# Altium PCB PCB_Kasli.PCBDOC (part 1 of 16) (continued)
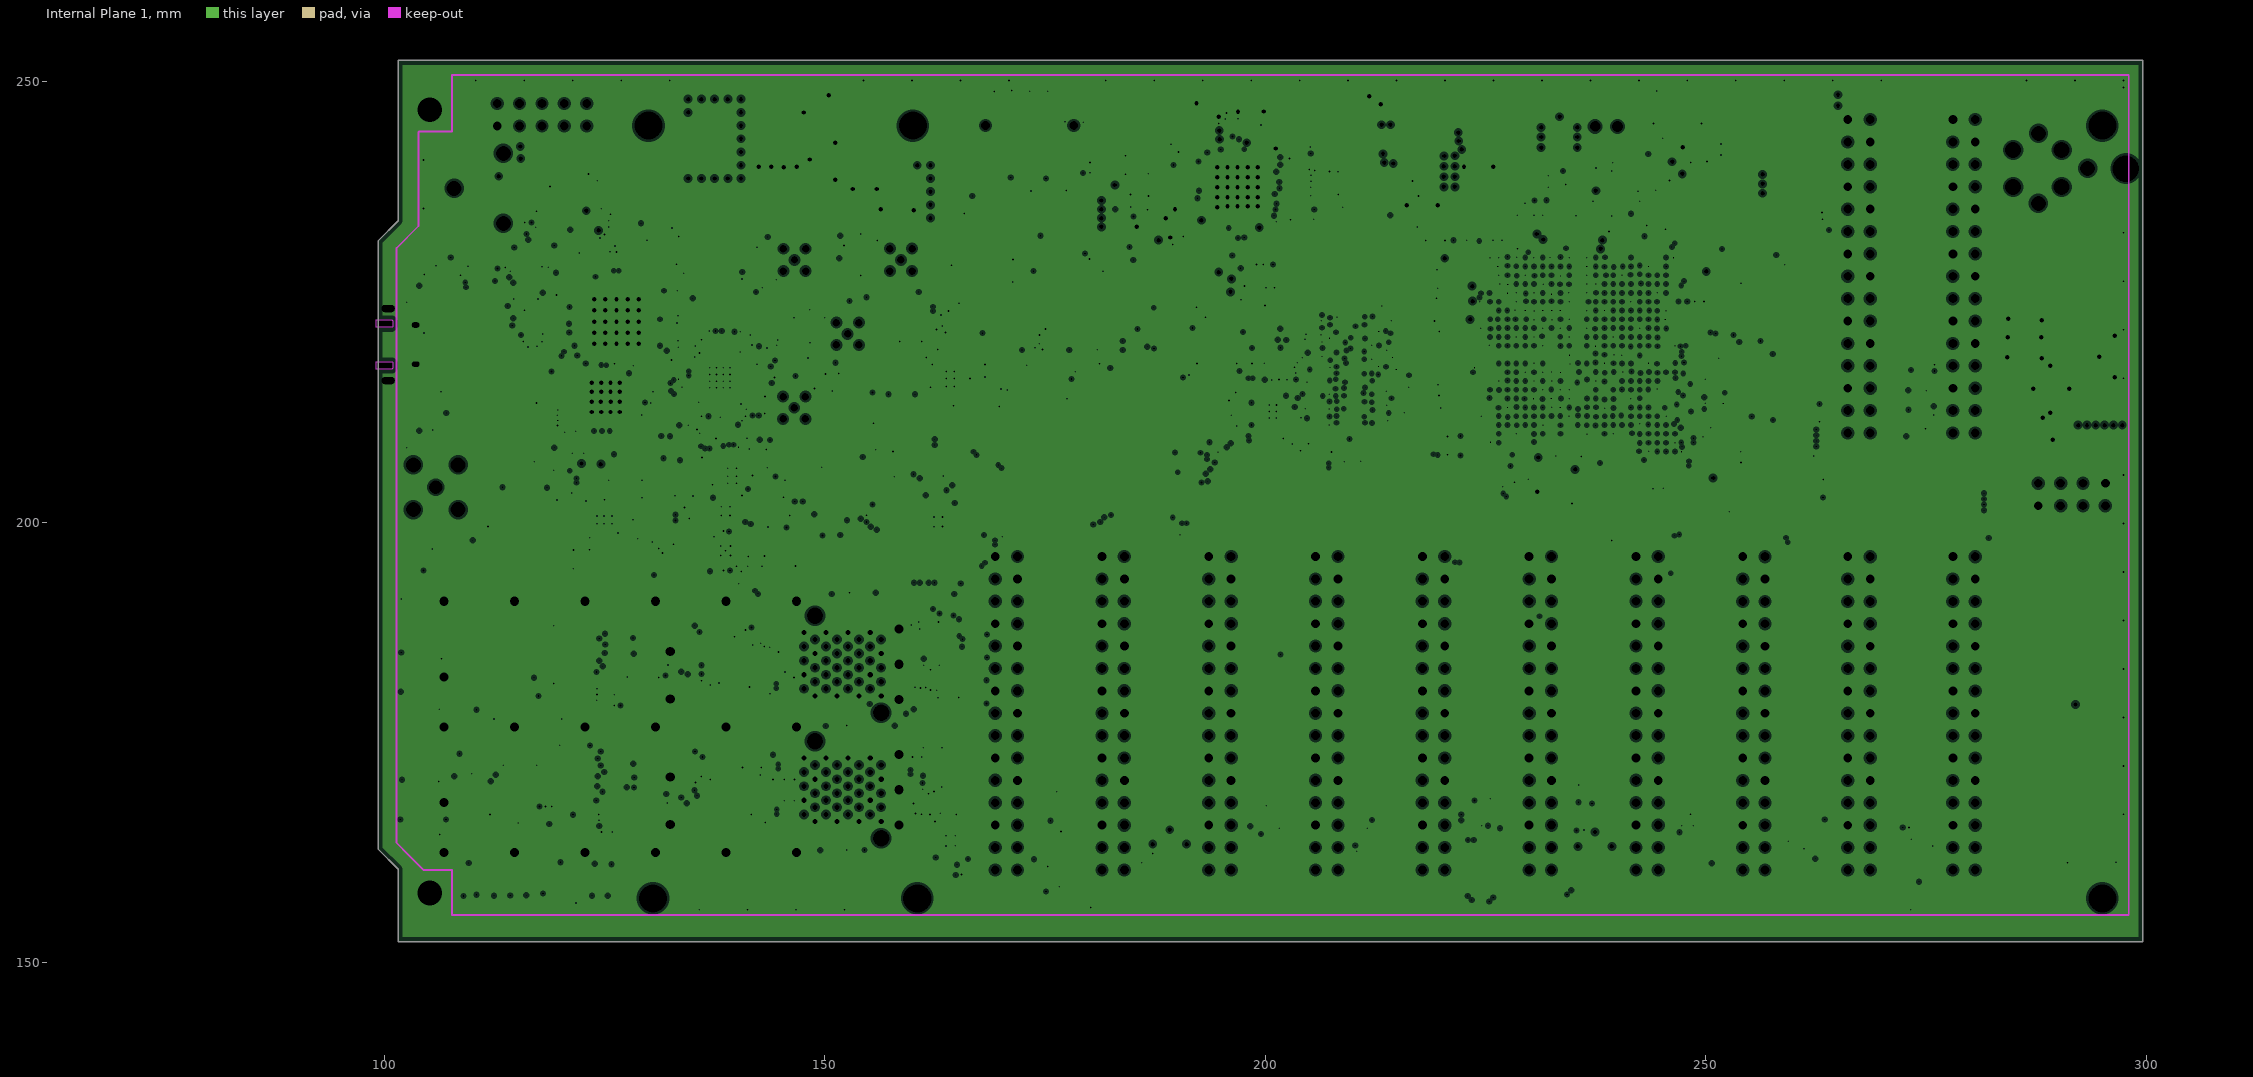
[diagram p5: Internal Plane 1, clearances drawn from the general rule]

## Layer stack, top to bottom
TopSolder: solder mask 0.0225, Solder Resist, Dk 3.5
TopLayer: signal copper 0.053
Dielectric1: core 0.11, FR-4, Dk 4.2
MidLayer1: signal copper 0.018
Dielectric2: prepreg 0.2, FR-4, Dk 4.2
MidLayer2: signal copper 0.018
Dielectric3: core 0.73, FR-4, Dk 4.2
SignalLayer1: signal copper 0.018
Dielectric4: prepreg 0.2, FR-4, Dk 4.2
Internal Plane 1: plane copper 0.018, net GND
Dielectric5: core 0.11, FR-4, Dk 4.2
BottomLayer: signal copper 0.053
BottomSolder: solder mask 0.0225, Solder Resist, Dk 3.5

## Board outline
101.6,160.6 99.3,162.9 99.3,231.9 101.6,234.2 101.6,252.4 299.6,252.4 299.6,152.4 101.6,152.4

## Design rules (kind name [scope] priority, off if disabled: settings)
AcuteAngle [All] p1: minimum=4.40000000000000E+0001 checktracksonly=FALSE
AssemblyTestPointUsage [All] p1 off:
AssemblyTestpoint [All] p1 off: testpointundercomponent=TRUE minsize=1.016 maxsize=2.54 preferedsize=1.524 minholesize=0 maxholesize=1.016 preferedholesize=0.813 testpointgrid=0.025 usegrid=TRUE gridtolerance=0 allowsidetop=TRUE allowsidebottom=TRUE
BoardOutlineClearance [All] p1: gap=0.4 ignorepadtopadclearanceinfootprint=FALSE
Clearance Clearance_GTP [InDifferentialPairClass('GTP') and not WithinRoom('Artix')] p1 off: gap=0.127 ignorepadtopadclearanceinfootprint=FALSE except(0: Arc-Hole Track-Hole SMDPad-Hole THPad-Hole Via-Hole Fill-Hole Poly-Hole Region-Hole Text-Hole; 0.089: Arc-SMDPad Track-SMDPad SMDPad-SMDPad; 0.15: Arc-THPad Arc-Via Track-THPad Track-Via SMDPad-Via; 0.152: Via-Fill Via-Poly Via-Region; 0.2: SMDPad-THPad THPad-THPad THPad-Via; 0.254: Arc-Text Track-Text SMDPad-Text THPad-Text Via-Text Fill-Text Poly-Text Region-Text Text-Text; 0.275: Via-Via; 0.35: Arc-Arc Arc-Track Track-Track)
Clearance Clearance_poly_balancing [InPolygonClass('Copper_balancing') vs OnLayer('KeepOutLayer')] p2: gap=0.25 ignorepadtopadclearanceinfootprint=FALSE
Clearance Clearance_poly_balancing_1 [InPolygonClass('Copper_balancing') vs InAnyNet] p3: gap=1 ignorepadtopadclearanceinfootprint=FALSE
Clearance Clearance_via [IsVia vs IsVia] p4: gap=0.254 ignorepadtopadclearanceinfootprint=FALSE except(0: Arc-Hole Track-Hole SMDPad-Hole THPad-Hole Via-Hole Fill-Hole Poly-Hole Region-Hole Text-Hole; 0.076: Arc-Track Arc-SMDPad Track-Track Track-SMDPad SMDPad-SMDPad SMDPad-Fill SMDPad-Region THPad-Fill THPad-Region; 0.08: Arc-Arc; 0.1: Arc-Fill Arc-Region Track-Fill Track-Region Fill-Fill Fill-Region; 0.127: Arc-Poly Track-Poly SMDPad-Poly THPad-Poly Fill-Poly Poly-Poly Poly-Region Region-Region; 0.15: Arc-Via Track-Via SMDPad-Via Via-Via Via-Fill Via-Poly Via-Region; 0.2: Arc-THPad Track-THPad SMDPad-THPad THPad-THPad THPad-Via)
Clearance Clearance_inner_lvds_mid2 [(OnLayer('MidLayer2') AND InNetClass('Diff_100Ohm'))] p5 off: gap=0.54 ignorepadtopadclearanceinfootprint=FALSE except(0: Arc-Hole Track-Hole SMDPad-Hole THPad-Hole Via-Hole Fill-Hole Poly-Hole Region-Hole Text-Hole)
Clearance Clearance_inner_lvds_sign1 [(InDifferentialPairClass('All Differential Pairs'))] p6 off: gap=0.54 ignorepadtopadclearanceinfootprint=FALSE except(0: Arc-Hole Track-Hole SMDPad-Hole THPad-Hole Via-Hole Fill-Hole Poly-Hole Region-Hole Text-Hole; 0.1: Arc-SMDPad Track-SMDPad; 0.15: Arc-Via Track-Via SMDPad-Via; 0.2: Arc-THPad Track-THPad SMDPad-SMDPad THPad-Via Via-Via)
Clearance Clearance_ddr [IsTrack and (InNetClass('DDR_BL0') OR InNetClass('DDR_AddressAndControls')) vs IsTrack and (InNetClass('DDR_BL0') OR InNetClass('DDR_AddressAndControls'))] p7 off: gap=0.5 ignorepadtopadclearanceinfootprint=FALSE except(0: Arc-Hole Track-Hole SMDPad-Hole THPad-Hole Via-Hole Fill-Hole Poly-Hole Region-Hole Text-Hole; 0.15: Arc-Via Track-Via; 0.25: Arc-Arc Arc-Track Track-Track; 0.54: Via-Via Via-Fill Via-Poly Via-Region Via-Text Fill-Fill Fill-Poly Fill-Region Fill-Text Poly-Poly Poly-Region Poly-Text Region-Region Region-Text Text-Text)
Clearance Clearance_inner [(OnLayer('MidLayer1') OR OnLayer('MidLayer2') OR OnLayer('SignalLayer1'))] p8: gap=0.25 ignorepadtopadclearanceinfootprint=FALSE except(0: Arc-Hole SMDPad-Hole THPad-Hole Via-Hole Fill-Hole Poly-Hole Region-Hole Text-Hole; 0.076: Arc-Arc Arc-Track Arc-SMDPad Track-Track Track-SMDPad SMDPad-SMDPad SMDPad-Fill SMDPad-Region THPad-Fill THPad-Region; 0.1: Track-THPad Track-Region Region-Region; 0.127: SMDPad-Poly THPad-Poly; 0.15: Arc-Via Track-Via Via-Fill Via-Poly Via-Region; 0.2: SMDPad-Via THPad-Via; 0.254: Arc-Text Track-Text SMDPad-Text THPad-Text Via-Text Fill-Text Poly-Text Region-Text Text-Text)
Clearance [OnLayer('TopLayer') or OnLayer('BottomLayer')] p9: gap=0.089 ignorepadtopadclearanceinfootprint=FALSE except(0: Arc-Hole SMDPad-Hole THPad-Hole Via-Hole Fill-Hole Poly-Hole Region-Hole Text-Hole; 0.1: Arc-Fill Track-THPad Track-Fill Track-Region Fill-Fill Fill-Region Poly-Region Region-Region; 0.127: Arc-Poly Track-Poly SMDPad-Poly THPad-Poly Fill-Poly Poly-Poly; 0.15: Arc-THPad Arc-Via Track-Via SMDPad-Via Via-Fill Via-Region; 0.152: Via-Poly; 0.2: SMDPad-THPad THPad-THPad THPad-Via; 0.25: Track-Hole; 0.254: Arc-Text Track-Text SMDPad-Text THPad-Text Via-Text Fill-Text Poly-Text Region-Text Text-Text; 0.275: Via-Via)
ComponentClearance [All] p1 off: gap=0.254 collisioncheckmode=3 verticalgap=0.254 showdistances=FALSE
DiffPairsRouting DiffPairsRouting_lvpecl [InDifferentialPairClass('LVPECL')] p1: maxlimit=0.31 minlimit=0.125 mostfreqgap=0.31 toplayer_maxgap=0.125 toplayer_prefgap=0.125 toplayer_minwidth=0.095 toplayer_maxwidth=0.095 toplayer_prefwidth=0.095 midlayer1_mingap=0.25 midlayer1_maxgap=0.25 midlayer1_prefgap=0.25 midlayer1_minwidth=0.15 midlayer1_maxwidth=0.15 midlayer1_prefwidth=0.15 midlayer2_mingap=0.31 midlayer2_minwidth=0.165 midlayer2_maxwidth=0.165 midlayer2_prefwidth=0.165 midlayer7_mingap=0.31 midlayer7_minwidth=0.165 midlayer7_maxwidth=0.165 midlayer7_prefwidth=0.165 bottomlayer_maxgap=0.125 bottomlayer_prefgap=0.125 bottomlayer_minwidth=0.095 bottomlayer_maxwidth=0.095 bottomlayer_prefwidth=0.095 maxuncoupledlength=3
DiffPairsRouting DiffPairsRouting_100_Ohm [InDifferentialPairClass('Diff_100Ohm')] p2: maxlimit=0.25 minlimit=0.12 mostfreqgap=0.12 toplayer_mingap=0.125 toplayer_maxgap=0.125 toplayer_prefgap=0.125 toplayer_minwidth=0.095 toplayer_maxwidth=0.095 toplayer_prefwidth=0.095 midlayer1_mingap=0.25 midlayer1_prefgap=0.25 midlayer1_minwidth=0.15 midlayer1_maxwidth=0.15 midlayer1_prefwidth=0.15 midlayer2_maxgap=0.12 midlayer2_minwidth=0.1 midlayer2_maxwidth=0.115 midlayer2_prefwidth=0.115 midlayer7_maxgap=0.12 midlayer7_minwidth=0.1 midlayer7_maxwidth=0.115 midlayer7_prefwidth=0.115 bottomlayer_mingap=0.125 bottomlayer_maxgap=0.125 bottomlayer_prefgap=0.125 bottomlayer_minwidth=0.095 bottomlayer_maxwidth=0.095 bottomlayer_prefwidth=0.095 maxuncoupledlength=10
DiffPairsRouting DiffPairsRouting_90_Ohm [InDifferentialPairClass('Diff_90Ohm')] p3: maxlimit=0.15 minlimit=0.12 mostfreqgap=0.12 toplayer_mingap=0.15 toplayer_prefgap=0.15 toplayer_minwidth=0.135 toplayer_maxwidth=0.135 toplayer_prefwidth=0.135 midlayer1_mingap=0.125 midlayer1_maxgap=0.125 midlayer1_prefgap=0.125 midlayer1_minwidth=0.312 midlayer1_maxwidth=0.312 midlayer1_prefwidth=0.312 midlayer2_maxgap=0.12 midlayer2_minwidth=0.15 midlayer2_maxwidth=0.15 midlayer2_prefwidth=0.15 midlayer7_maxgap=0.12 midlayer7_minwidth=0.15 midlayer7_maxwidth=0.15 midlayer7_prefwidth=0.15 bottomlayer_mingap=0.15 bottomlayer_prefgap=0.15 bottomlayer_minwidth=0.135 bottomlayer_maxwidth=0.135 bottomlayer_prefwidth=0.135 maxuncoupledlength=12.7
DiffPairsRouting [All] p4 off: maxlimit=0.254 minlimit=0.12 mostfreqgap=0.125 toplayer_minwidth=0.075 toplayer_maxwidth=0.5 toplayer_prefwidth=0.125 midlayer1_minwidth=0.075 midlayer1_maxwidth=0.5 midlayer1_prefwidth=0.125 midlayer2_minwidth=0.075 midlayer2_maxwidth=0.5 midlayer2_prefwidth=0.125 midlayer7_minwidth=0.075 midlayer7_maxwidth=0.5 midlayer7_prefwidth=0.125 bottomlayer_minwidth=0.075 bottomlayer_maxwidth=0.5 bottomlayer_prefwidth=0.125 maxuncoupledlength=3
FabricationTestPointUsage TestPointUsage [All] p1: valid=0 allowmultiple=FALSE
FabricationTestpoint Testpoint [All] p1: side=3 testpointundercomponent=TRUE minsize=1.016 maxsize=2.54 preferedsize=1.524 minholesize=0.508 maxholesize=1.016 preferedholesize=0.813 testpointgrid=0.025 allowsidetop=TRUE allowsidebottom=TRUE usegrid=TRUE gridtolerance=0
Height Height_1 [OnLayer('BottomLayer')] p1: minheight=0 maxheight=2 prefheight=1
Height [All] p2: minheight=0 maxheight=27 prefheight=12.7
HoleSize [All] p1: absolutevalues=TRUE maxlimit=3.2 minlimit=0.15 maxpercent=80.000 minpercent=20.000
HoleToHoleClearance [All] p1: gap=0.15 allowstackedmicrovias=TRUE
MatchedLengths MatchedLengths_sfp [InDifferentialPairClass('SFP_RX_TX')] p1: tolerance=1 checknetsindiffpair=TRUE checkdiffpairvsdiffpair=FALSE checkxsignals=FALSE checkothers=FALSE
MatchedLengths MatchedLengths_diff_clocks [InxSignalClass('Differential clocks')] p2: tolerance=1 checknetsindiffpair=TRUE checkdiffpairvsdiffpair=FALSE checkxsignals=FALSE checkothers=FALSE
MatchedLengths MatchLengths_xSignals_clock_fanout [InxSignalClass('Clock fanout')] p3: tolerance=1 checknetsindiffpair=FALSE checkdiffpairvsdiffpair=TRUE checkxsignals=TRUE checkothers=TRUE
MatchedLengths MatchedLengths_ext0 [InNetClass('EXT0')] p4: tolerance=10 checknetsindiffpair=FALSE checkdiffpairvsdiffpair=TRUE checkxsignals=TRUE checkothers=TRUE
MatchedLengths MatchedLengths_ext11 [InNetClass('EXT11')] p5: tolerance=10 checknetsindiffpair=FALSE checkdiffpairvsdiffpair=TRUE checkxsignals=TRUE checkothers=TRUE
MatchedLengths MatchedLengths_ext10 [InNetClass('EXT10')] p6: tolerance=10 checknetsindiffpair=FALSE checkdiffpairvsdiffpair=TRUE checkxsignals=TRUE checkothers=TRUE
MatchedLengths MatchedLengths_ext9 [InNetClass('EXT9')] p7: tolerance=10 checknetsindiffpair=FALSE checkdiffpairvsdiffpair=TRUE checkxsignals=TRUE checkothers=TRUE
MatchedLengths MatchedLengths_ext8 [InNetClass('EXT8')] p8: tolerance=10 checknetsindiffpair=FALSE checkdiffpairvsdiffpair=TRUE checkxsignals=TRUE checkothers=TRUE
MatchedLengths MatchedLengths_ext7 [InNetClass('EXT7')] p9: tolerance=10 checknetsindiffpair=FALSE checkdiffpairvsdiffpair=TRUE checkxsignals=TRUE checkothers=TRUE
MatchedLengths MatchedLengths_ext6 [InNetClass('EXT6')] p10: tolerance=10 checknetsindiffpair=FALSE checkdiffpairvsdiffpair=TRUE checkxsignals=TRUE checkothers=TRUE
MatchedLengths MatchedLengths_ext5 [InNetClass('EXT5')] p11: tolerance=10 checknetsindiffpair=FALSE checkdiffpairvsdiffpair=TRUE checkxsignals=TRUE checkothers=TRUE
MatchedLengths MatchedLengths_ext4 [InNetClass('EXT4')] p12: tolerance=10 checknetsindiffpair=FALSE checkdiffpairvsdiffpair=TRUE checkxsignals=TRUE checkothers=TRUE
MatchedLengths MatchedLengths_ext3 [InNetClass('EXT3')] p13: tolerance=10 checknetsindiffpair=FALSE checkdiffpairvsdiffpair=TRUE checkxsignals=TRUE checkothers=TRUE
MatchedLengths MatchedLengths_ext2 [InNetClass('EXT2')] p14: tolerance=10 checknetsindiffpair=FALSE checkdiffpairvsdiffpair=TRUE checkxsignals=TRUE checkothers=TRUE
MatchedLengths MatchedLengths_ext1 [InNetClass('EXT1')] p15: tolerance=10 checknetsindiffpair=FALSE checkdiffpairvsdiffpair=TRUE checkxsignals=TRUE checkothers=TRUE
MatchedLengths MatchedLengths_DDR_CLOCKS_STROBES [InxSignalClass('ADDR_PP1') OR InxSignalClass('DATA_BL0')] p16: tolerance=0.508 checknetsindiffpair=TRUE checkdiffpairvsdiffpair=FALSE checkxsignals=FALSE checkothers=FALSE
MatchedLengths MatchedLengths_DATA_BL0 [InxSignalClass('DATA_BL0')] p17: tolerance=1.3 checknetsindiffpair=FALSE checkdiffpairvsdiffpair=TRUE checkxsignals=TRUE checkothers=TRUE
MatchedLengths MatchedLengths_ADDR_PP1 [InxSignalClass('ADDR_PP1')] p18: tolerance=2 checknetsindiffpair=FALSE checkdiffpairvsdiffpair=TRUE checkxsignals=TRUE checkothers=TRUE
MatchedLengths [InDifferentialPairClass('All Differential Pairs')] p19: tolerance=5 checknetsindiffpair=TRUE checkdiffpairvsdiffpair=FALSE checkxsignals=FALSE checkothers=FALSE
MinimumAnnularRing MinimumAnnularRing_mid [OnLayer('MidLayer1') or OnLayer('MidLayer2') or OnLayer('MidLayer3') or OnLayer('MidLayer4')] p1: minimumring=0.15
MinimumAnnularRing MinimumAnnularRing_outer [OnLayer('TopLayer') or OnLayer('BottomLayer')] p2: minimumring=0.05
MinimumSolderMaskSliver [All] p1: minsoldermaskwidth=0.075
ParallelSegment [All] p1 off: limit=5 gap=0.254
PlaneClearance [All] p1: clearance=0.254
PlaneConnect [All] p1: pad.planeconnectstyle=Relief pad.reliefexpansion=0.2 pad.reliefentries=4 pad.reliefconductorwidth=0.254 pad.reliefairgap=0.254 via.planeconnectstyle=Direct via.reliefexpansion=0.2 via.reliefentries=4 via.reliefconductorwidth=0.254 via.reliefairgap=0.15
PolygonConnect PolygonConnect_pad [IsPad] p1: connectstyle=Relief reliefconductorwidth=0.254 reliefentries=4 polygonreliefangle="90 Angle" airgapwidth=0.254
PolygonConnect [All] p2: connectstyle=Direct reliefconductorwidth=0.254 reliefentries=4 polygonreliefangle="45 Angle" airgapwidth=0.254
RoomDefinition Artix [InComponentClass('Artix')] p1 off: confinementstyle=ConfineIn formatcopy=TRUE lockcomponents=FALSE outline 216.143,222.801 216.143,227.159 217.491,227.159 217.491,228.299 224.42,228.299 224.42,230.325 232.125,230.325 232.125,232.265 233.349,232.265 233.349,233.159 239.953,233.159 239.953,233.413 242.111,233.413 242.111,233.375 245.097,233.375 245.097,232.155 249.465,232.155 249.465,226.521 256.699,226.521 256.699,225.281 257.177,225.281 257.177,221.375 260.355,221.375 260.355,210.817 258.843,210.817 258.843,205.004 252.685,205.004 252.685,205.52 224.42,205.52 224.42,217.551 221.677,217.551 221.677,219.727 218.663,219.727 218.663,222.801
RoomDefinition Connectors [InComponentClass('Connectors')] p2: confinementstyle=ConfineIn formatcopy=TRUE lockcomponents=FALSE outline 0,0 50.8,0 50.8,25.4 0,25.4
RoomDefinition PowerSupplies [InComponentClass('PowerSupplies')] p3 off: confinementstyle=ConfineIn formatcopy=TRUE lockcomponents=FALSE outline 177.119,248.429 179.094,248.429 179.094,248.729 188.067,248.729 188.067,248.917 211.179,248.917 211.179,249.395 240.55,249.395 240.55,249.427 264.616,249.427 264.616,237.77 240.809,237.77 240.809,233.253 239.573,233.253 239.573,230.365 235.917,230.365 235.917,229.965 226.303,229.965 226.303,229.851 221.539,229.851 221.539,228.791 217.691,228.791 217.691,226.821 209.531,226.821 209.531,226.095 177.119,226.095
RoomDefinition ClockRecovery [InComponentClass('ClockRecovery')] p4 off: confinementstyle=ConfineIn formatcopy=TRUE lockcomponents=FALSE outline 110.346,216.489 110.346,218.867 110.496,218.867 110.496,220.485 110.577,220.485 110.577,226.036 111.333,226.036 111.333,227.601 114.112,227.601 114.112,230.141 115.68,230.141 115.68,233.091 125.542,233.091 125.542,237.761 125.557,237.761 125.557,238.777 127.953,238.777 127.953,239.585 153.733,239.585 153.733,237.045 161.353,237.045 161.353,217.107 153.733,217.107 153.733,212.027 136.366,212.027 136.366,211.943 125.773,211.943 125.773,211.889 121.115,211.889 121.115,214.549 115.675,214.549 115.675,215.063 111.533,215.063 111.533,216.489
RoomDefinition USB_Serial_Quad [InComponentClass('USB_Serial_Quad')] p5 off: confinementstyle=ConfineIn formatcopy=TRUE lockcomponents=FALSE outline 96.489,225.657 96.489,236.115 134.774,236.115 134.774,248.364 155.802,248.364 155.802,241.856 145.507,241.856 145.507,219.221 143.175,219.221 143.175,210.803 141.147,210.803 141.147,210.519 134.637,210.519 134.637,210.393 133.079,210.393 133.079,212.077 114.941,212.077 114.941,213.763 114.249,213.763 114.249,214.867 110.317,214.867 110.317,225.657
RoomDefinition FPGA_JTAG [InComponentClass('FPGA_JTAG')] p6 off: confinementstyle=ConfineIn formatcopy=TRUE lockcomponents=FALSE outline 163.247,225.588 163.247,233.246 165.944,233.246 165.944,233.922 170.06,233.922 170.06,235.042 171.618,235.042 171.618,233.246 180.605,233.246 180.605,225.588
RoomDefinition SATA [InComponentClass('SATA')] p7 off: confinementstyle=ConfineIn formatcopy=TRUE lockcomponents=FALSE outline 165.247,230.042 165.247,247.65 173.18,247.65 173.18,243.309 173.645,243.309 173.645,235.077 173.18,235.077 173.18,230.042
RoomDefinition TOP [InComponentClass('TOP')] p8 off: confinementstyle=ConfineIn formatcopy=TRUE lockcomponents=FALSE outline 112.014,243.586 88.392,243.586 88.392,210.134 112.014,210.134
RoomDefinition U_SFP [InComponentClass('U_SFP')] p9 off: confinementstyle=ConfineIn formatcopy=TRUE lockcomponents=FALSE outline 95.03,193.6 95.03,209.756 144.338,209.756 144.338,209.313 150.795,209.313 150.795,208.327 152.577,208.327 152.577,208.199 153.941,208.199 153.941,203.789 150.889,203.789 150.889,203.333 147.762,203.333 147.762,200.389 146.813,200.389 146.813,198.869 144.338,198.869 144.338,193.6 142.667,193.6 142.667,191.499 138.935,191.499 138.935,190.099 134.652,190.099 134.652,193.6
RoomDefinition U_IDC_EXT_Connectors [InComponentClass('U_IDC_EXT_Connectors')] p10 off: confinementstyle=ConfineIn formatcopy=TRUE lockcomponents=FALSE outline 163.446,167.321 163.446,171.679 165.362,171.679 165.362,201.37 177.482,201.37 256.816,201.37 256.816,241.325 262.122,241.325 262.122,250.962 284.175,250.962 284.175,155.238 260.325,155.238 239.673,155.238 239.673,155.121 235.39,155.121 235.39,155.246 177.482,155.246 165.362,155.246 165.362,167.321
RoomDefinition U_FPGA_SDRAM [InComponentClass('U_FPGA_SDRAM')] p11 off: confinementstyle=ConfineIn formatcopy=TRUE lockcomponents=FALSE outline 195.89,213.021 195.89,214.579 198.365,214.579 198.365,214.754 198.865,214.754 198.865,215.964 200.765,215.964 200.765,216.004 201.755,216.004 201.755,216.029 203.165,216.029 203.165,217.954 203.565,217.954 203.565,218.704 204.34,218.704 204.34,221.479 204.757,221.479 204.757,225.978 215.415,225.978 215.415,217.454 216.383,217.454 216.383,214.771 215.415,214.771 215.415,209.32 212.523,209.32 212.523,208.711 210.998,208.711 210.998,205.821 208.84,205.821 208.84,207.871 202.915,207.871 202.915,208.721 201.99,208.721 201.99,210.346 198.365,210.346 198.365,210.871 196.09,210.871 196.09,212.046 195.93,212.046 195.93,213.021
RoomDefinition U_FPGA_I2C [InComponentClass('U_FPGA_I2C')] p12 off: confinementstyle=ConfineIn formatcopy=TRUE lockcomponents=FALSE outline 170.313,217.919 170.313,219.977 171.277,219.977 171.277,221.251 172.703,221.251 172.703,223.693 179.341,223.693 179.341,220.743 181.529,220.743 181.529,207.789 187.244,207.789 187.244,206.929 192.676,206.929 192.676,202.519 191.312,202.519 191.312,202.266 190.64,202.266 190.64,201.301 174.612,201.301 174.612,202.519 172.703,202.519 172.703,204.707 170.769,204.707 170.769,217.919
RoutingLayers RoutingLayers_1 [InNetClass('Diff_100Ohm')] p1: top layer_v5=TRUE mid layer 1_v5=FALSE mid layer 2_v5=TRUE mid layer 7_v5=TRUE bottom layer_v5=TRUE
RoutingLayers [All] p2: top layer_v5=TRUE mid layer 1_v5=TRUE mid layer 2_v5=TRUE mid layer 7_v5=TRUE bottom layer_v5=TRUE
RoutingTopology RoutingTopology_DDRAddressAndControls [InNetClass('DDR_AddressAndControls')] p1: topology=Daisy_Simple
RoutingTopology [All] p2: topology=Shortest
RoutingVias [All] p1: holewidth=0.15 width=0.35 viastyle="Through Hole" minholewidth=0.15 minwidth=0.35 maxholewidth=0.6 maxwidth=0.8
SMDEntry [All] p1 off: side=TRUE corner=TRUE anyangle=FALSE
SilkToSilkClearance [All] p1: silktosilkclearance=0.15
SilkToSolderMaskClearance SilkscreenOverComponentPads [IsPad] p1: minsilkscreentomaskgap=0.15 clearancetoexposedcopper=FALSE
SolderMaskExpansion [All] p1: expansion=0.05 istentingtop=FALSE
StubLength [All] p1: limit=3
UnConnectedPin [All] p1 off:
UnRoutedNet [Not InPolygonClass('Copper_balancing')] p1:
ViasUnderSMD ViasUnderSMD_1 [(InNet('GND') AND (InComponent('IC1') or InComponent('IC2') or InComponent('IC3') or InComponent('IC14') or InComponent('IC15') or InComponent('IC18') or InComponent('IC6') or InComponent('IC7') or InComponent('IC9') or InComponent('IC10') or InComponent('IC11') or InComponent('IC27')))] p1: allowed=TRUE
ViasUnderSMD [All] p2: allowed=FALSE
Width Width_50Ohm [InNetClass('50Ohm')] p1: maxlimit=1 minlimit=0.19 preferedwidth=0.24 toplayer_maxwidth=0.19 toplayer_prefwidth=0.19 midlayer1_minwidth=0.3 midlayer1_prefwidth=0.65 midlayer2_minwidth=0.24 midlayer2_maxwidth=0.24 midlayer7_minwidth=0.24 midlayer7_maxwidth=0.24 bottomlayer_maxwidth=0.19 bottomlayer_prefwidth=0.19 minimp=50.000000 maximp=50.000000 favimp=50.000000
Width [All] p2: maxlimit=2 minlimit=0.075 preferedwidth=0.125
13 further rules are at their usual default settings.
